# KiCad board TKLTheSecond.kicad_pcb (continued)
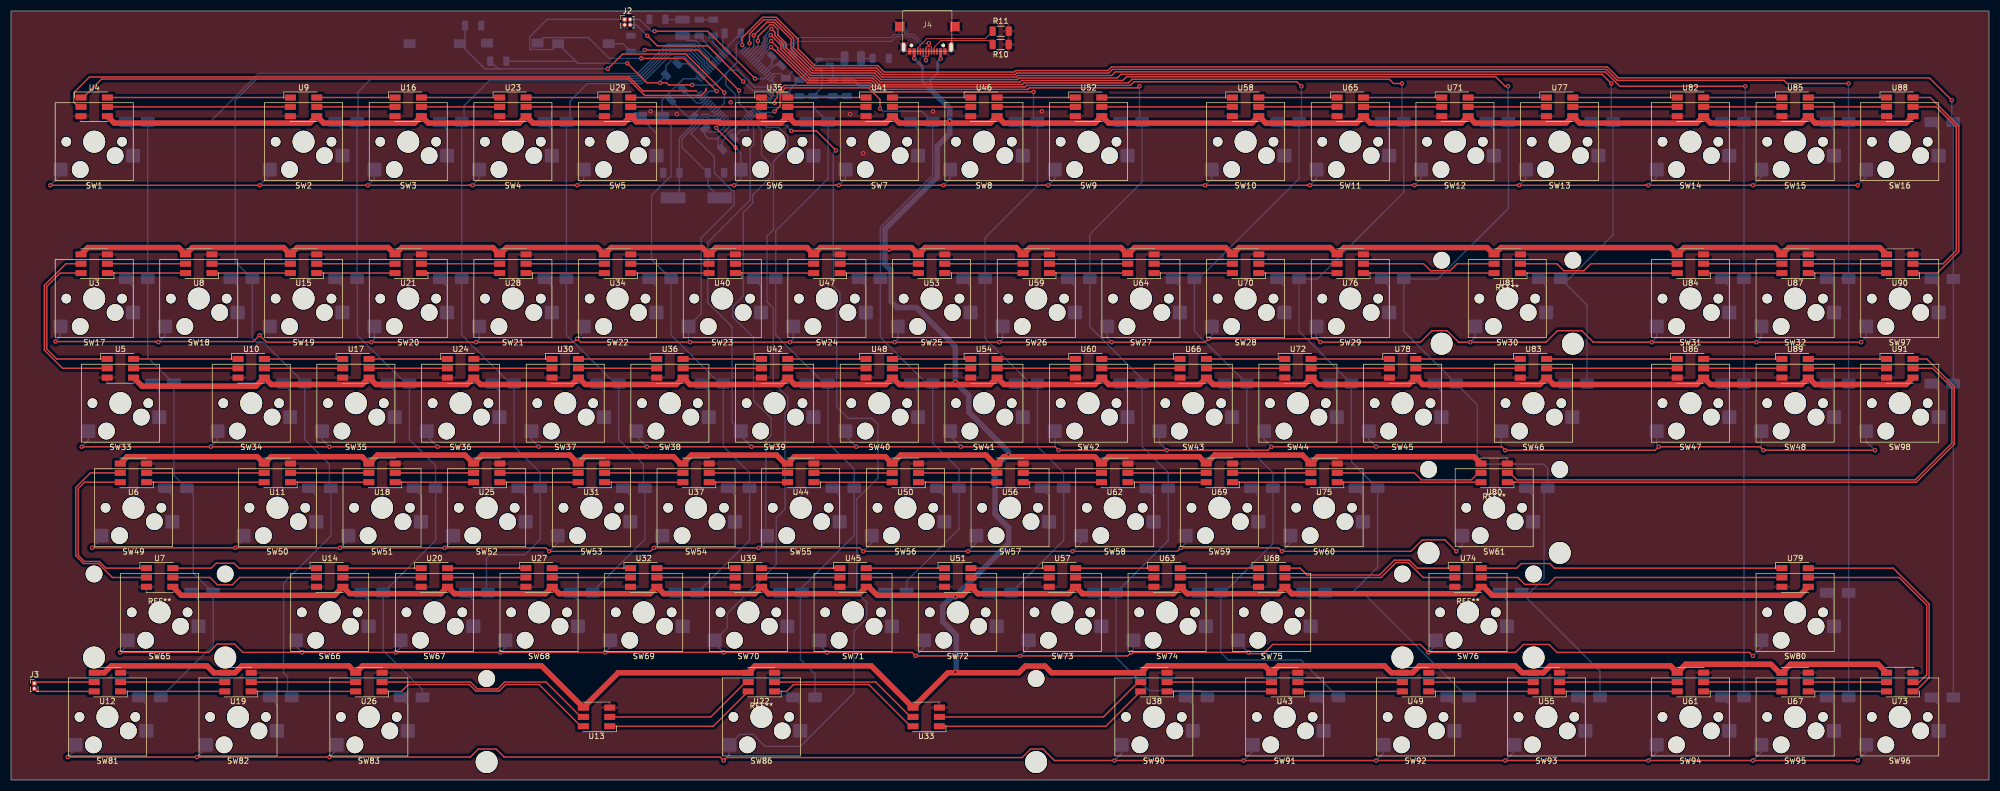
[diagram p0: board, top side]
## Routing (per net, layer and track width the routed paths; a pad name or vN(x,y) marks a point on that pad's centre or on a via; arc(x,y) is an arc through that point) (continued)
ROW4: length 371.8
  Top w0.25: v1(263.06,41.66) 260.97,43.74 256.86,43.74 254.78,41.66 v1(231.31,41.66) 230.67,42.29 v1(212.89,42.29) 212.26,41.66 v1(193.21,41.66) v1(174.16,41.66) v1(155.11,41.66) 154.47,42.29 v1(136.06,42.29) v1(117.01,42.29) 116.37,41.66 v1(97.96,41.66) 97.32,42.29 v1(78.91,42.29) v1(59.86,42.29) v1(40.81,42.29) v1(14.77,42.29)
  Bottom w0.25: v1(212.89,42.29) 213.79,43.18 SW59.1 ; v1(231.31,41.66) 232.84,43.18 SW60.1 ; SW57.1 175.69,43.18 v1(174.16,41.66) ; v1(97.96,41.66) 99.49,43.18 SW53.1 ; 42.34,43.82 v1(40.81,42.29) ; SW58.1 194.74,43.18 v1(193.21,41.66) ; 61.39,43.82 v1(59.86,42.29) ; v1(155.11,41.66) 156.64,43.18 SW56.1 ; SW61.1 264.1,42.69 v1(263.06,41.66) ; 16.45,43.96 v1(14.77,42.29) ; 80.44,43.82 v1(78.91,42.29) ; 137.4,44.7 137.4,61.84 138.34,62.77 138.34,65.91 135.14,69.11 135.14,80.58 135.14,80.58 131.35,84.36 131.35,86.24 133.27,88.16 133.27,103.39 134.98,105.09 134.98,106.55 138.34,109.91 138.34,112.07 136.59,113.82 136.59,118.46 U1.61 ; 137.59,43.82 v1(136.06,42.29) ; 118.54,43.82 v1(117.01,42.29)
ROW5: length 443
  Top w0.25: v1(317.03,22.61) 316.4,23.24 281.37,23.24 279.92,24.69 275.28,24.69 273.83,23.24 v1(257.98,23.24) 256.53,24.69 229.63,24.69 227.98,23.04 225.42,23.04 v1(225.21,23.24) v1(203.88,23.24) 203.24,22.61 v1(183.68,22.61) v1(164.63,22.61) 164,23.24 v1(148.5,23.24) v1(129.71,23.24) v1(108.12,23.24) v1(89.07,23.24) v1(70.02,23.24) v1(53,23.24) 42.2,23.24 40.68,24.76 37.51,24.76 35.98,23.24 v1(19.85,23.24)
  Bottom w0.25: SW67.1 70.91,24.13 v1(70.02,23.24) ; v1(108.12,23.24) 109.01,24.13 SW69.1 ; SW80.1 318.56,24.13 v1(317.03,22.61) ; 51.86,24.38 v1(53,23.24) ; 21.21,24.6 v1(19.85,23.24) ; SW73.1 185.21,24.13 v1(183.68,22.61) ; U1.59 137.59,118.87 139.73,118.87 141.35,117.25 141.35,115.28 138.79,112.72 138.78,112.72 138.78,100.26 137.61,99.09 137.61,87.09 138.73,85.97 138.73,72.44 141.35,69.82 141.35,67.39 140.88,66.92 140.88,49.36 139.29,47.77 139.29,39.27 139.29,39.27 130.38,30.35 130.38,27.78 SW70.1 ; 259.34,24.6 v1(257.98,23.24) ; 128.06,24.89 v1(129.71,23.24) ; SW74.1 204.26,23.5 ; SW72.1 166.16,24.13 v1(164.63,22.61) ; SW68.1 89.96,24.13 v1(89.07,23.24) ; 147.11,24.63 v1(148.5,23.24) ; 223.31,25.14 v1(225.21,23.24)
ROW6: length 517.7
  Top w0.25: v1(10.33,4.19) v1(33.82,4.19) v1(57.95,4.19) 83.61,4.19 85.06,5.64 88.3,5.64 89.75,4.19 129.07,4.19 v1(129.71,3.56) 130.24,4.09 184.04,4.09 184.04,4.09 185.59,5.64 187.82,5.64 189.91,3.56 v1(200.83,3.56) v1(224.32,3.56) v1(248.45,3.56) v1(271.95,3.56) v1(297.98,3.56) v1(317.03,3.56) v1(336.08,3.56) ; v1(150.16,114.68) 146.6,118.24 v1(142.03,118.24)
  Bottom w0.25: SW91.1 225.98,5.21 v1(224.32,3.56) ; 11.7,5.57 v1(10.33,4.19) ; v1(271.95,3.56) 273.6,5.21 SW93.1 ; SW95.1 318.56,5.08 v1(317.03,3.56) ; v1(297.98,3.56) 299.51,5.08 SW94.1 ; 149.65,89.92 150.88,88.69 150.88,86.71 150.29,86.12 150.29,68 152.4,65.89 156.73,65.89 157.77,64.85 157.77,55 153.92,51.14 153.92,34.22 155.74,32.41 155.74,29.44 153.43,27.13 153.43,15.88 143.69,6.15 137.24,6.15 135.07,8.32 132.63,8.32 SW86.1 130.73,4.57 v1(129.71,3.56) ; v1(142.03,118.24) 141.01,119.25 137.92,119.25 U1.58 ; SW96.1 337.61,5.08 v1(336.08,3.56) ; v1(248.45,3.56) 249.79,4.89 SW92.1 ; 35.48,5.84 v1(33.82,4.19) ; SW90.1 202.17,4.89 v1(200.83,3.56) ; 149.65,89.9 149.65,114.17 v1(150.16,114.68) ; 59.29,5.53 v1(57.95,4.19)
SWCLK: length 31
  Top w0.25: v1(115.8,135.57) 117.64,133.73 126.79,133.73 v1(133.26,127.25)
  Bottom w0.25: J2.4 113.83,137.55 v1(115.8,135.57) ; v1(133.26,127.25) 134.92,125.6 137.93,125.6 U1.49
SWDIO: length 29.9
  Top w0.25: v1(135.42,127.76) 126.79,136.4 v1(117.14,136.4)
  Bottom w0.25: v1(117.14,136.4) 116.58,136.4 114.43,138.55 J2.2 ; v1(135.42,127.76) 137.15,127.76 U1.46
Net-(D1-A): length 6.7
  Bottom w0.25: SW1.2 22.23,118.49 D1.2
Net-(D2-A): length 6.7
  Bottom w0.25: SW2.2 60.33,118.49 D2.2
Net-(D3-A): length 6.7
  Bottom w0.25: D3.2 79.38,118.49 SW3.2
Net-(D4-A): length 6.7
  Bottom w0.25: D4.2 98.43,118.49 SW4.2
Net-(D5-A): length 8.3
  Bottom w0.25: D5.2 117.48,117.8 SW5.2
Net-(D6-A): length 6.7
  Bottom w0.25: SW6.2 146.06,118.49 D6.2
Net-(D7-A): length 6.7
  Bottom w0.25: SW7.2 165.11,118.49 D7.2
Net-(D8-A): length 6.7
  Bottom w0.25: D8.2 184.16,118.49 SW8.2
Net-(D9-A): length 6.7
  Bottom w0.25: D9.2 203.21,118.49 SW9.2
Net-(D10-A): length 6.7
  Bottom w0.25: D10.2 231.78,118.49 SW10.2
Net-(D11-A): length 6.7
  Bottom w0.25: D11.2 250.83,118.49 SW11.2
Net-(D12-A): length 6.7
  Bottom w0.25: SW12.2 269.88,118.49 D12.2
Net-(D13-A): length 6.7
  Bottom w0.25: D13.2 288.93,118.49 SW13.2
Net-(D14-A): length 6.7
  Bottom w0.25: SW14.2 312.74,118.49 D14.2
Net-(D15-A): length 6.7
  Bottom w0.25: SW15.2 331.79,118.49 D15.2
Net-(D16-A): length 6.7
  Bottom w0.25: SW16.2 350.84,118.49 D16.2
Net-(D17-A): length 6.7
  Bottom w0.25: D17.2 22.23,89.92 SW17.2
Net-(D18-A): length 6.7
  Bottom w0.25: D18.2 41.26,89.94 SW18.2
Net-(D19-A): length 6.7
  Bottom w0.25: D19.2 60.33,89.92 SW19.2
Net-(D20-A): length 6.7
  Bottom w0.25: SW20.2 79.38,89.92 D20.2
Net-(D21-A): length 6.7
  Bottom w0.25: SW21.2 98.43,89.92 D21.2
Net-(D22-A): length 6.7
  Bottom w0.25: SW22.2 117.48,89.92 D22.2
Net-(D23-A): length 6.7
  Bottom w0.25: SW23.2 136.53,89.92 D23.2
Net-(D24-A): length 6.7
  Bottom w0.25: SW24.2 155.58,89.92 D24.2
Net-(D25-A): length 6.7
  Bottom w0.25: D25.2 174.63,89.92 SW25.2
Net-(D26-A): length 6.7
  Bottom w0.25: D26.2 193.68,89.92 SW26.2
Net-(D27-A): length 6.7
  Bottom w0.25: SW27.2 212.73,89.92 D27.2
Net-(D28-A): length 6.7
  Bottom w0.25: D28.2 231.78,89.92 SW28.2
Net-(D29-A): length 6.7
  Bottom w0.25: SW29.2 250.83,89.92 D29.2
Net-(D30-A): length 6.7
  Bottom w0.25: SW30.2 279.41,89.92 D30.2
Net-(D31-A): length 6.7
  Bottom w0.25: D31.2 312.74,89.92 SW31.2
Net-(D32-A): length 6.7
  Bottom w0.25: D32.2 331.79,89.92 SW32.2
Net-(D33-A): length 6.7
  Bottom w0.25: SW33.2 26.99,70.87 D33.2
Net-(D34-A): length 6.7
  Bottom w0.25: SW34.2 50.81,70.87 D34.2
Net-(D35-A): length 6.7
  Bottom w0.25: SW35.2 69.86,70.87 D35.2
Net-(D36-A): length 6.7
  Bottom w0.25: D36.2 88.91,70.87 SW36.2
Net-(D37-A): length 6.7
  Bottom w0.25: D37.2 107.96,70.87 SW37.2
Net-(D38-A): length 6.7
  Bottom w0.25: SW38.2 127.01,70.87 D38.2
Net-(D39-A): length 6.7
  Bottom w0.25: D39.2 146.06,70.87 SW39.2
Net-(D40-A): length 6.7
  Bottom w0.25: D40.2 165.11,70.87 SW40.2
Net-(D41-A): length 6.7
  Bottom w0.25: D41.2 184.16,70.87 SW41.2
Net-(D42-A): length 6.7
  Bottom w0.25: D42.2 203.21,70.87 SW42.2
Net-(D43-A): length 6.7
  Bottom w0.25: SW43.2 222.26,70.87 D43.2
Net-(D44-A): length 6.7
  Bottom w0.25: SW44.2 241.31,70.87 D44.2
Net-(D45-A): length 6.7
  Bottom w0.25: D45.2 260.36,70.87 SW45.2
Net-(D46-A): length 6.7
  Bottom w0.25: D46.2 284.17,70.87 SW46.2
Net-(D47-A): length 6.7
  Bottom w0.25: D47.2 312.74,70.87 SW47.2
Net-(D48-A): length 6.7
  Bottom w0.25: SW48.2 331.79,70.87 D48.2
Net-(D49-A): length 6.7
  Bottom w0.25: D49.2 29.37,51.82 SW49.2
Net-(D50-A): length 6.7
  Bottom w0.25: SW50.2 55.57,51.82 D50.2
Net-(D51-A): length 6.7
  Bottom w0.25: SW51.2 74.62,51.82 D51.2
Net-(D52-A): length 6.7
  Bottom w0.25: SW52.2 93.67,51.82 D52.2
Net-(D53-A): length 6.7
  Bottom w0.25: D53.2 112.72,51.82 SW53.2
Net-(D54-A): length 6.7
  Bottom w0.25: D54.2 131.77,51.82 SW54.2
Net-(D55-A): length 6.7
  Bottom w0.25: SW55.2 150.82,51.82 D55.2
Net-(D56-A): length 6.7
  Bottom w0.25: D56.2 169.87,51.82 SW56.2
Net-(D57-A): length 6.7
  Bottom w0.25: D57.2 188.92,51.82 SW57.2
Net-(D58-A): length 6.7
  Bottom w0.25: D58.2 207.97,51.82 SW58.2
Net-(D59-A): length 6.7
  Bottom w0.25: SW59.2 227.02,51.82 D59.2
Net-(D60-A): length 6.7
  Bottom w0.25: SW60.2 246.07,51.82 D60.2
Net-(D61-A): length 6.7
  Bottom w0.25: SW61.2 277.02,51.82 D61.2
Net-(D62-K): length 2.1
  Bottom w0.25: D62.1 R8.2
Net-(D63-A): length 8.1
  Bottom w0.25: U1.26 124.61,134.68 123.08,134.68 D63.2
Net-(D63-K): length 3.1
  Bottom w0.25: D63.1 119.14,138.52
Net-(D65-A): length 6.7
  Bottom w0.25: SW65.2 34.14,32.77 D65.2
Net-(D66-A): length 6.7
  Bottom w0.25: SW66.2 65.09,32.77 D66.2
Net-(D67-A): length 6.7
  Bottom w0.25: D67.2 84.14,32.77 SW67.2
Net-(D68-A): length 6.7
  Bottom w0.25: D68.2 103.19,32.77 SW68.2
Net-(D69-A): length 6.7
  Bottom w0.25: SW69.2 122.24,32.77 D69.2
Net-(D70-A): length 6.7
  Bottom w0.25: SW70.2 141.29,32.77 D70.2
Net-(D71-A): length 6.7
  Bottom w0.25: D71.2 160.34,32.77 SW71.2
Net-(D72-A): length 6.7
  Bottom w0.25: SW72.2 179.39,32.77 D72.2
Net-(D73-A): length 6.7
  Bottom w0.25: D73.2 198.44,32.77 SW73.2
Net-(D74-A): length 6.7
  Bottom w0.25: D74.2 217.49,32.77 SW74.2
Net-(D75-A): length 6.7
  Bottom w0.25: SW75.2 236.54,32.77 D75.2
Net-(D76-A): length 6.7
  Bottom w0.25: D76.2 272.26,32.77 SW76.2
Net-(D80-A): length 6.7
  Bottom w0.25: D80.2 331.79,32.77 SW80.2
Net-(D81-A): length 6.7
  Bottom w0.25: SW81.2 24.63,13.7 D81.2
Net-(D82-A): length 6.7
  Bottom w0.25: D82.2 48.4,13.74 SW82.2
Net-(D83-A): length 6.7
  Bottom w0.25: SW83.2 72.22,13.74 D83.2
Net-(D86-A): length 6.7
  Bottom w0.25: SW86.2 143.65,13.74 D86.2
Net-(D90-A): length 6.7
  Bottom w0.25: SW90.2 215.09,13.74 D90.2
Net-(D91-A): length 6.7
  Bottom w0.25: SW91.2 238.9,13.74 D91.2
Net-(D92-A): length 6.7
  Bottom w0.25: D92.2 262.72,13.74 SW92.2
Net-(D93-A): length 6.7
  Bottom w0.25: SW93.2 286.53,13.74 D93.2
Net-(D94-A): length 6.7
  Bottom w0.25: D94.2 312.74,13.72 SW94.2
Net-(D95-A): length 6.7
  Bottom w0.25: SW95.2 331.79,13.72 D95.2
Net-(D96-A): length 6.7
  Bottom w0.25: SW96.2 350.84,13.72 D96.2
Net-(D97-A): length 6.7
  Bottom w0.25: D97.2 350.84,89.92 SW97.2
Net-(D98-A): length 6.7
  Bottom w0.25: D98.2 350.84,70.87 SW98.2
Net-(J4-CC1): length 12.2
  Top w0.15: J4.A5 168.03,133.49 169.24,134.7 177.95,134.7 R10.2
Net-(J4-CC2): length 15.6
  Top w0.15: R11.1 177.32,135.05 166.68,135.05 165.03,133.4 J4.B5
Net-(U1-PA0): length 40.1
  Top w0.25: v1(114.72,131.44) 122.47,131.44 v1(128.44,125.48)
  Bottom w0.25: v1(114.72,131.44) 108.9,131.44 105.1,135.24 96.82,135.24 SW64.1 ; U1.14 127.09,125.48 v1(128.44,125.48)
Net-(U1-PH0): length 22.7
  Bottom w0.25: C1.2 126.84,108.21 Y1.2 ; U1.5 128.33,120.35 127.08,120.35 126.66,120.78 126.11,120.78 122.11,116.78 122.11,115.29 126.79,110.62
Net-(U1-PH1): length 21.6
  Bottom w0.25: 128.08,120.81 U1.6 128.14,120.87 127.2,120.87 126.79,121.28 125.98,121.28 121.66,116.97 C2.2 121.66,107.2 Y1.1
Net-(U1-VREF+): length 5.3
  Bottom w0.25: U1.13 125.67,123.35 124.78,123.35 C7.1
Net-(U3-CI): length 14.2
  Top w0.25: U8.5 U3.2
Net-(U3-CO): length 32.9
  Top w0.25: U3.5 10.01,94.04 6.07,90.1 6.07,78.3 9.37,74.99 U5.2
Net-(U3-DI): length 14.2
  Top w0.25: U8.6 U3.1
Net-(U3-DO): length 30.4
  Top w0.25: U3.6 8.95,92.34 6.52,89.92 6.52,78.49 8.31,76.69 U5.1
Net-(U4-CO): length 33.3
  Top w0.25: U4.5 U9.2
Net-(U4-DO): length 33.3
  Top w0.25: U4.6 U9.1
Net-(U6-CO): length 36.1
  Top w0.25: U7.2 18.44,36.89 18.44,36.9 15.9,39.43 13.21,39.43 11.78,40.86 11.78,53.27 14.45,55.94 U6.5
Net-(U6-DO): length 33.7
  Top w0.25: U6.6 13.39,54.24 12.23,53.09 12.23,40.94 13.37,39.81 16.06,39.81 17.28,38.59 U7.1
Net-(U10-CI): length 19
  Top w0.25: U5.5 U10.2
Net-(U10-CO): length 14.3
  Top w0.25: U10.5 U17.2
Net-(U10-DI): length 19
  Top w0.25: U5.6 U10.1
Net-(U10-DO): length 14.3
  Top w0.25: U10.6 U17.1
Net-(U11-CI): length 14.3
  Top w0.25: U18.5 U11.2
Net-(U11-CO): length 21.4
  Top w0.25: U11.5 U6.2
Net-(U11-DI): length 14.3
  Top w0.25: U18.6 U11.1
Net-(U11-DO): length 21.4
  Top w0.25: U11.6 U6.1
Net-(U12-CI): length 19
  Top w0.25: U19.5 U12.2
Net-(U12-DI): length 19
  Top w0.25: U19.6 U12.1
Net-(U13-CI): length 27.4
  Top w0.25: U13.2 127.37,11.49 133.72,17.84
Net-(U13-CO): length 39.9
  Top w0.25: U26.2 83.63,17.84 84.9,16.57 88.56,16.57 89.83,17.84 97.37,17.84 103.72,11.49
Net-(U13-DI): length 27.8
  Top w0.25: U13.1 127.82,9.79 U22.6
Net-(U13-DO): length 40.8
  Top w0.25: 103.72,9.79 96.12,17.39 90.02,17.39 88.82,16.2 84.63,16.2 83.43,17.39 72.3,17.39 71.05,16.14 U26.1
Net-(U14-CI): length 27.3
  Top w0.25: U7.5 36.24,36.89 37.57,35.56 40.29,35.56 41.62,36.89 U14.2
Net-(U14-CO): length 14.3
  Top w0.25: U14.5 U20.2
Net-(U14-DI): length 26.9
  Top w0.25: U7.6 36.46,38.59 37.37,39.5 40.59,39.5 41.49,38.59 U14.1
Net-(U14-DO): length 14.3
  Top w0.25: U14.6 U20.1
Net-(U15-CI): length 14.3
  Top w0.25: U21.5 U15.2
Net-(U15-CO): length 14.3
  Top w0.25: U15.5 U8.2
Net-(U15-DI): length 14.3
  Top w0.25: U21.6 U15.1
Net-(U15-DO): length 14.3
  Top w0.25: U15.6 U8.1
Net-(U16-CI): length 14.3
  Top w0.25: U9.5 U16.2
Net-(U16-CO): length 14.3
  Top w0.25: U16.5 U23.2
Net-(U16-DI): length 14.3
  Top w0.25: U9.6 U16.1
Net-(U16-DO): length 14.3
  Top w0.25: U16.6 U23.1
Net-(U17-CO): length 14.3
  Top w0.25: U17.5 U24.2
Net-(U17-DO): length 14.3
  Top w0.25: U17.6 U24.1
Net-(U18-CI): length 14.3
  Top w0.25: U25.5 U18.2
Net-(U18-DI): length 14.3
  Top w0.25: U25.6 U18.1
Net-(U19-CI): length 19
  Top w0.25: U26.5 U19.2
Net-(U19-DI): length 19
  Top w0.25: U26.6 U19.1
Net-(U20-CO): length 14.3
  Top w0.25: U20.5 U27.2
Net-(U20-DO): length 14.3
  Top w0.25: U20.6 U27.1
Net-(U21-CI): length 14.3
  Top w0.25: U28.5 U21.2
Net-(U21-DI): length 14.3
  Top w0.25: U28.6 U21.1
Net-(U22-CI): length 27.4
  Top w0.25: U22.2 157.37,17.84 163.72,11.49
Net-(U22-DI): length 28.4
  Top w0.25: U22.1 141.16,16.14 142.41,17.39 156.12,17.39 163.72,9.79
Net-(U23-CO): length 14.3
  Top w0.25: U23.5 U29.2
Net-(U23-DO): length 14.3
  Top w0.25: U23.6 U29.1
Net-(U24-CO): length 14.3
  Top w0.25: U24.5 U30.2
Net-(U24-DO): length 14.3
  Top w0.25: U24.6 U30.1
Net-(U25-CI): length 14.3
  Top w0.25: U31.5 U25.2
Net-(U25-DI): length 14.3
  Top w0.25: U31.6 U25.1
Net-(U27-CO): length 14.3
  Top w0.25: U27.5 U32.2
Net-(U27-DO): length 14.3
  Top w0.25: U27.6 U32.1
Net-(U28-CI): length 14.3
  Top w0.25: U34.5 U28.2
Net-(U28-DI): length 14.3
  Top w0.25: U34.6 U28.1
Net-(U29-CO): length 23.8
  Top w0.25: U29.5 U35.2
Net-(U29-DO): length 23.8
  Top w0.25: U29.6 U35.1
Net-(U30-CO): length 14.3
  Top w0.25: U30.5 U36.2
Net-(U30-DO): length 14.3
  Top w0.25: U30.6 U36.1
Net-(U31-CI): length 14.3
  Top w0.25: U37.5 U31.2
Net-(U31-DI): length 14.3
  Top w0.25: U37.6 U31.1
Net-(U32-CO): length 14.3
  Top w0.25: U32.5 U39.2
Net-(U32-DO): length 14.3
  Top w0.25: U32.6 U39.1
Net-(U33-CI): length 38.8
  Top w0.25: 205.16,17.84 198.81,11.49 U33.2
Net-(U33-DI): length 39.3
  Top w0.25: U33.1 199.26,9.79 U38.6
Net-(U34-CI): length 14.3
  Top w0.25: U40.5 U34.2
Net-(U34-DI): length 14.3
  Top w0.25: U40.6 U34.1
Net-(U35-CO): length 14.3
  Top w0.25: U35.5 U41.2
Net-(U35-DO): length 14.3
  Top w0.25: U35.6 U41.1
Net-(U36-CO): length 14.3
  Top w0.25: U36.5 U42.2
Net-(U36-DO): length 14.3
  Top w0.25: U36.6 U42.1
Net-(U37-CI): length 14.3
  Top w0.25: U44.5 U37.2
Net-(U37-DI): length 14.3
  Top w0.25: U44.6 U37.1
Net-(U38-CI): length 19
  Top w0.25: U43.5 U38.2
Net-(U38-DI): length 19
  Top w0.25: U43.6 U38.1
Net-(U39-CO): length 14.3
  Top w0.25: U39.5 U45.2
Net-(U39-DO): length 14.3
  Top w0.25: U39.6 U45.1
Net-(U40-CI): length 14.3
  Top w0.25: U47.5 U40.2
Net-(U40-DI): length 14.3
  Top w0.25: U47.6 U40.1
Net-(U41-CO): length 14.3
  Top w0.25: U41.5 U46.2
Net-(U41-DO): length 14.3
  Top w0.25: U41.6 U46.1
Net-(U42-CO): length 14.3
  Top w0.25: U42.5 U48.2
Net-(U42-DO): length 14.3
  Top w0.25: U42.6 U48.1
Net-(U43-CI): length 19
  Top w0.25: U49.5 U43.2
Net-(U43-DI): length 19
  Top w0.25: U49.6 U43.1
Net-(U44-CI): length 14.3
  Top w0.25: U50.5 U44.2
Net-(U44-DI): length 14.3
  Top w0.25: U50.6 U44.1
Net-(U45-CO): length 14.3
  Top w0.25: U45.5 U51.2
Net-(U45-DO): length 14.3
  Top w0.25: U45.6 U51.1
Net-(U46-CO): length 14.3
  Top w0.25: U46.5 U52.2
Net-(U46-DO): length 14.3
  Top w0.25: U46.6 U52.1
Net-(U47-CI): length 14.3
  Top w0.25: U53.5 U47.2
Net-(U47-DI): length 14.3
  Top w0.25: U53.6 U47.1
Net-(U48-CO): length 14.3
  Top w0.25: U48.5 U54.2
Net-(U48-DO): length 14.3
  Top w0.25: U48.6 U54.1
Net-(U49-CI): length 19
  Top w0.25: U55.5 U49.2
Net-(U49-DI): length 19
  Top w0.25: U55.6 U49.1
Net-(U50-CI): length 14.3
  Top w0.25: U56.5 U50.2
Net-(U50-DI): length 14.3
  Top w0.25: U56.6 U50.1
Net-(U51-CO): length 14.3
  Top w0.25: U51.5 U57.2
Net-(U51-DO): length 14.3
  Top w0.25: U51.6 U57.1
Net-(U52-CO): length 23.8
  Top w0.25: U52.5 U58.2
Net-(U52-DO): length 23.8
  Top w0.25: U52.6 U58.1
Net-(U53-CI): length 14.3
  Top w0.25: U59.5 U53.2
Net-(U53-DI): length 14.3
  Top w0.25: U59.6 U53.1
Net-(U54-CO): length 14.3
  Top w0.25: U54.5 U60.2
Net-(U54-DO): length 14.3
  Top w0.25: U54.6 U60.1
Net-(U55-CI): length 21.4
  Top w0.25: U61.5 U55.2
Net-(U55-DI): length 21.4
  Top w0.25: U61.6 U55.1
Net-(U56-CI): length 14.3
  Top w0.25: U62.5 U56.2
Net-(U56-DI): length 14.3
  Top w0.25: U62.6 U56.1
Net-(U57-CO): length 14.3
  Top w0.25: U57.5 U63.2
Net-(U57-DO): length 14.3
  Top w0.25: U57.6 U63.1
Net-(U58-CO): length 14.3
  Top w0.25: U58.5 U65.2
Net-(U58-DO): length 14.3
  Top w0.25: U58.6 U65.1
Net-(U59-CI): length 14.3
  Top w0.25: U64.5 U59.2
Net-(U59-DI): length 14.3
  Top w0.25: U64.6 U59.1
Net-(U60-CO): length 14.3
  Top w0.25: U60.5 U66.2
Net-(U60-DO): length 14.3
  Top w0.25: U60.6 U66.1
Net-(U61-CI): length 14.3
  Top w0.25: U67.5 U61.2
Net-(U61-DI): length 14.3
  Top w0.25: U67.6 U61.1
Net-(U62-CI): length 14.3
  Top w0.25: U69.5 U62.2
Net-(U62-DI): length 14.3
  Top w0.25: U69.6 U62.1
Net-(U63-CO): length 14.3
  Top w0.25: U63.5 U68.2
Net-(U63-DO): length 14.3
  Top w0.25: U63.6 U68.1
Net-(U64-CI): length 14.3
  Top w0.25: U70.5 U64.2
Net-(U64-DI): length 14.3
  Top w0.25: U70.6 U64.1
Net-(U65-CO): length 14.3
  Top w0.25: U65.5 U71.2
Net-(U65-DO): length 14.3
  Top w0.25: U65.6 U71.1
Net-(U66-CO): length 14.3
  Top w0.25: U66.5 U72.2
Net-(U66-DO): length 14.3
  Top w0.25: U66.6 U72.1
Net-(U67-CI): length 14.3
  Top w0.25: U73.5 U67.2
Net-(U67-DI): length 14.3
  Top w0.25: U73.6 U67.1
Net-(U68-CO): length 33.2
  Top w0.25: U68.5 249.34,36.89 252.05,39.6 254.31,39.6 257.01,36.89 U74.2
Net-(U68-DO): length 33.2
  Top w0.25: U74.1 255.95,38.59 254.49,40.05 251.77,40.05 249.07,37.34 235.88,37.34 234.63,38.59 U68.6
Net-(U69-CI): length 14.3
  Top w0.25: U75.5 U69.2
Net-(U69-DI): length 14.3
  Top w0.25: U75.6 U69.1
Net-(U70-CI): length 14.3
  Top w0.25: U76.5 U70.2
Net-(U70-DI): length 14.3
  Top w0.25: U76.6 U70.1
Net-(U71-CO): length 14.3
  Top w0.25: U71.5 U77.2
Net-(U71-DO): length 14.3
  Top w0.25: U71.6 U77.1
Net-(U72-CO): length 14.3
  Top w0.25: U72.5 U78.2
Net-(U72-DO): length 14.3
  Top w0.25: U72.6 U78.1
Net-(U73-CI): length 39.4
  Top w0.25: U73.2 347.32,17.84 348.66,19.18 348.66,31.88 343.64,36.89 U79.5
Net-(U73-DI): length 41.7
  Top w0.25: U79.6 342.58,38.59 349.11,32.06 349.11,18.64 346.61,16.14
Net-(U74-CO): length 55.8
  Top w0.25: U74.5 274.26,36.89 275.53,35.62 279.77,35.62 281.04,36.89 U79.2
Net-(U74-DO): length 55.4
  Top w0.25: U74.6 274.03,38.59 274.87,39.43 280.05,39.43 280.89,38.59 U79.1
Net-(U75-CI): length 26.8
  Top w0.25: U75.2 255.41,55.94 256.68,54.67 265.82,54.67 267.09,55.94
Net-(U75-DI): length 26.2
  Top w0.25: U80.6 U75.1
Net-(U76-CI): length 24.8
  Top w0.25: U76.2 257.09,94.04 258.36,92.77 261.92,92.77 263.19,94.04 U81.5
Net-(U76-DI): length 23.8
  Top w0.25: U81.6 U76.1
Net-(U77-CO): length 19
  Top w0.25: U77.5 U82.2
Net-(U77-DO): length 19
  Top w0.25: U77.6 U82.1
Net-(U78-CO): length 19
  Top w0.25: U78.5 U83.2
Net-(U78-DO): length 19
  Top w0.25: U78.6 U83.1
Net-(U80-CI): length 102.4
  Top w0.25: 272.79,55.94 274.06,54.67 346.56,54.67 353.23,61.34 353.23,71.5 349.74,74.99 U91.5
Net-(U80-DI): length 104.3
  Top w0.25: U80.1 346.73,54.24 346.75,54.23 353.68,61.15 353.68,71.69 348.67,76.69 U91.6
Net-(U81-CI): length 29.6
  Top w0.25: U81.2 281.35,94.04 282.62,92.77 286.27,92.77 287.54,94.04 U84.5
Net-(U81-DI): length 28.5
  Top w0.25: 274.74,92.33 303.24,92.33
Net-(U82-CO): length 14.3
  Top w0.25: U82.5 U85.2
Net-(U82-DO): length 14.3
  Top w0.25: U82.6 U85.1
Net-(U83-CO): length 23.8
  Top w0.25: U83.5 U86.2
Net-(U83-DO): length 23.8
  Top w0.25: U83.6 U86.1
Net-(U84-CI): length 14.3
  Top w0.25: U87.5 U84.2
Net-(U84-DI): length 14.3
  Top w0.25: U87.6 U84.1
Net-(U85-CO): length 14.3
  Top w0.25: U85.5 U88.2
Net-(U85-DO): length 14.3
  Top w0.25: U85.6 U88.1
Net-(U86-CO): length 14.3
  Top w0.25: U86.5 U89.2
Net-(U86-DO): length 14.3
  Top w0.25: U86.6 U89.1
Net-(U87-CI): length 14.3
  Top w0.25: U90.5 U87.2
Net-(U87-DI): length 14.3
  Top w0.25: U90.6 U87.1
Net-(U88-CO): length 40.8
  Top w0.25: U88.5 350.37,122.62 354.05,118.94 354.05,96.45 351.64,94.04 U90.2
Net-(U88-DO): length 43.3
  Top w0.25: U88.6 349.31,124.32 354.5,119.13 354.5,96.26 350.58,92.34 U90.1
Net-(U89-CO): length 14.3
  Top w0.25: U89.5 U91.2
Net-(U89-DO): length 14.3
  Top w0.25: U89.6 U91.1

## Copper pours and planes (outline as drawn; the poured copper is in the pictures)
GND on Top: 0.05,140.03 0.05,0.05 359.95,0.05 359.95,140.03
GND on Bottom: 0.05,140.03 0.05,0.05 359.95,0.05 359.95,140.03
